# Allegro board 8880F5-0826_3.brd (continued)
## Placement (name value [footprint] x y rotation side) (continued)
NOREF#1909  -  []  392.24 199.18 90 top
NOREF#1910  -  []  331.22 253.63 0 top
NOREF#1911  -  []  371.48 257.11 0 top
NOREF#1912  -  []  271.34 243.91 0 top
NOREF#1913  -  []  168.13 159.1 90 top
NOREF#1914  -  []  394.66 242.38 90 top
NOREF#1915  -  []  209.59 160.9 90 top
NOREF#1916  -  []  272.24 184.86 90 top
NOREF#1917  -  []  225.83 204.31 0 top
NOREF#1918  -  []  369.38 224.6 0 top
NOREF#1919  -  []  405.93 288.57 90 top
NOREF#1920  -  []  333.33 241.33 90 top
NOREF#1921  -  []  332.51 264.35 90 top
NOREF#1922  -  []  409.49 180.15 0 top
NOREF#1923  -  []  377.23 224.65 90 top
NOREF#1924  -  []  167.7 192.32 90 top
NOREF#1925  -  []  354.27 134.07 90 top
NOREF#1926  -  []  312.67 146.1 90 top
NOREF#1927  -  []  415.61 185.72 90 top
NOREF#1928  -  []  342.68 163.52 90 top
NOREF#1929  -  []  252.6 296.86 0 top
NOREF#1930  -  []  352.55 181.37 0 top
NOREF#1931  -  []  229.51 193.69 0 top
NOREF#1932  -  []  271.04 249.18 0 top
NOREF#1933  -  []  128.21 178.64 0 top
NOREF#1934  -  []  366.88 239.21 0 top
NOREF#1935  -  []  399.99 164.91 90 top
NOREF#1936  -  []  408.88 133.16 90 top
NOREF#1937  -  []  259.33 205.55 0 top
NOREF#1938  -  []  518.38 292.92 90 top
NOREF#1939  -  []  420.88 129.99 90 top
NOREF#1940  -  []  241.82 227.13 90 top
NOREF#1941  -  []  177.33 201.29 90 top
NOREF#1942  -  []  256.77 225.04 90 top
NOREF#1943  -  []  395.07 129.99 0 top
NOREF#1944  -  []  334.29 265.56 0 top
NOREF#1945  -  []  352.24 181.05 90 top
NOREF#1946  -  []  184.47 145.93 90 top
NOREF#1947  -  []  390.53 154.88 0 top
NOREF#1948  -  []  237.98 163.82 90 top
NOREF#1949  -  []  259.88 288.31 90 top
NOREF#1950  -  []  120.24 171.1 0 top
NOREF#1951  -  []  326.23 233.13 0 top
NOREF#1952  -  []  264.29 272.1 90 top
NOREF#1953  -  []  211.11 160.4 90 top
NOREF#1954  -  []  200.98 256.5 90 top
NOREF#1955  -  []  326.17 131.69 90 top
NOREF#1956  -  []  258.35 288.91 90 top
NOREF#1957  -  []  417.7 146.88 0 top
NOREF#1958  -  []  182.57 144.78 90 top
NOREF#1959  -  []  341.48 286.96 0 top
NOREF#1960  -  []  184.47 151.68 90 top
NOREF#1961  -  []  450.03 225.6 0 top
NOREF#1962  -  []  201.21 276.04 90 top
NOREF#1963  -  []  405.5 225.11 90 top
NOREF#1964  -  []  94.68 234.24 0 top
NOREF#1965  -  []  332.83 205.86 90 top
NOREF#1966  -  []  263.71 288.86 0 top
NOREF#1967  -  []  403.99 188.15 0 top
NOREF#1968  -  []  167.7 201.89 90 top
NOREF#1969  -  []  261.63 255.43 90 top
NOREF#1970  -  []  404.24 154.88 0 top
NOREF#1971  -  []  392.04 224.85 90 top
NOREF#1972  -  []  192.57 228.97 90 top
NOREF#1973  -  []  272.55 183.91 0 top
NOREF#1974  -  []  473.7 176.22 90 top
NOREF#1975  -  []  310.43 189.52 0 top
NOREF#1976  -  []  392.24 196.98 90 top
NOREF#1977  -  []  310.41 253.37 90 top
NOREF#1978  -  []  408.02 271.47 0 top
NOREF#1979  -  []  317.83 197.63 0 top
NOREF#1980  -  []  410.27 257.37 0 top
NOREF#1981  -  []  379 288.57 90 top
NOREF#1982  -  []  220.36 188.49 0 top
NOREF#1983  -  []  378.75 256.56 90 top
NOREF#1984  -  []  201.23 215.35 90 top
NOREF#1985  -  []  381.2 274.38 90 top
NOREF#1986  -  []  473.79 239.64 0 top
NOREF#1987  -  []  201.23 190.12 90 top
NOREF#1988  -  []  199.33 240.28 0 top
NOREF#1989  -  []  400.79 154.88 0 top
NOREF#1990  -  []  167.7 173.11 90 top
NOREF#1991  -  []  247.25 205.55 0 top
NOREF#1992  -  []  167.7 159.65 0 top
NOREF#1993  -  []  409.74 146.88 0 top
NOREF#1994  -  []  511.59 291.28 90 top
NOREF#1995  -  []  167.7 227.72 90 top
NOREF#1996  -  []  337.9 186.35 90 top
NOREF#1997  -  []  217.41 273.24 0 top
NOREF#1998  -  []  175.8 215.25 90 top
NOREF#1999  -  []  254.29 265.56 0 top
NOREF#2000  -  []  338.36 288.91 90 top
NOREF#2001  -  []  330.73 265.56 90 top
NOREF#2002  -  []  366.88 255.21 0 top
NOREF#2003  -  []  166.06 203.01 90 top
NOREF#2004  -  []  310.43 188.88 90 top
NOREF#2005  -  []  318.3 224.74 90 top
NOREF#2006  -  []  226.27 216.63 90 top
NOREF#2007  -  []  248 286.96 0 top
NOREF#2008  -  []  251.62 265.56 90 top
NOREF#2009  -  []  394 217.36 0 top
NOREF#2010  -  []  367.48 242.38 90 top
NOREF#2011  -  []  462.06 274.77 90 top
NOREF#2012  -  []  230.73 253.69 0 top
NOREF#2013  -  []  273.95 155.38 0 top
NOREF#2014  -  []  321.82 167.13 90 top
NOREF#2015  -  []  182.57 144.78 0 top
NOREF#2016  -  []  252.83 204.65 90 top
NOREF#2017  -  []  314.33 168.13 90 top
NOREF#2018  -  []  331.62 265.55 0 top
NOREF#2019  -  []  390.69 241.11 0 top
NOREF#2020  -  []  230.41 183.09 90 top
NOREF#2021  -  []  184.47 173.11 0 top
NOREF#2022  -  []  375.73 194.78 90 top
NOREF#2023  -  []  306.71 139.64 0 top
NOREF#2024  -  []  271.04 244.23 0 top
NOREF#2025  -  []  301.56 190.49 0 top
NOREF#2026  -  []  351.34 183.91 0 top
NOREF#2027  -  []  155.57 289.11 90 top
NOREF#2028  -  []  175.8 174.36 90 top
NOREF#2029  -  []  309.51 193.69 0 top
NOREF#2030  -  []  175.7 189.02 90 top
NOREF#2031  -  []  271.04 185.5 0 top
NOREF#2032  -  []  230.43 243.09 0 top
NOREF#2033  -  []  327.7 131.19 90 top
NOREF#2034  -  []  253.4 205.56 90 top
NOREF#2035  -  []  116.27 171.02 0 top
NOREF#2036  -  []  482.64 192.46 90 top
NOREF#2037  -  []  249.28 225.04 90 top
NOREF#2038  -  []  309.51 253.69 0 top
NOREF#2039  -  []  398.65 209.36 90 top
NOREF#2040  -  []  209.33 215.25 90 top
NOREF#2041  -  []  263.14 282 0 top
NOREF#2042  -  []  324.9 288.91 90 top
NOREF#2043  -  []  459.28 236.14 90 top
NOREF#2044  -  []  310.41 246.34 90 top
NOREF#2045  -  []  262.68 163.52 90 top
NOREF#2046  -  []  397.57 131.89 0 top
NOREF#2047  -  []  373.83 192.28 90 top
NOREF#2048  -  []  403.41 209.61 0 top
NOREF#2049  -  []  201.91 172.56 90 top
NOREF#2050  -  []  398.65 225.11 0 top
NOREF#2051  -  []  392.47 240.56 90 top
NOREF#2052  -  []  260.74 135.19 90 top
NOREF#2053  -  []  287.27 286.96 90 top
NOREF#2054  -  []  352.25 241.05 90 top
NOREF#2055  -  []  399.99 181.42 90 top
NOREF#2056  -  []  369.63 289.12 0 top
NOREF#2057  -  []  175.7 154.88 90 top
NOREF#2058  -  []  383.09 273.11 0 top
NOREF#2059  -  []  249.28 165.04 90 top
NOREF#2060  -  []  330.17 223.82 90 top
NOREF#2061  -  []  252.51 204.35 90 top
NOREF#2062  -  []  346.08 296.86 0 top
NOREF#2063  -  []  117.01 234.24 90 top
NOREF#2064  -  []  127.7 238.84 0 top
NOREF#2065  -  []  412.62 273.37 0 top
NOREF#2066  -  []  290.64 288.86 0 top
NOREF#2067  -  []  192.47 164.3 90 top
NOREF#2068  -  []  252.51 264.35 90 top
NOREF#2069  -  []  251.33 140.14 0 top
NOREF#2070  -  []  453.88 171.53 0 top
NOREF#2071  -  []  229.21 253.37 0 top
NOREF#2072  -  []  412.24 144.98 90 top
NOREF#2073  -  []  184.47 200.54 90 top
NOREF#2074  -  []  122.15 187.53 0 top
NOREF#2075  -  []  298.13 214.06 0 top
NOREF#2076  -  []  410.52 273.37 0 top
NOREF#2077  -  []  346.27 132.97 90 top
NOREF#2078  -  []  387.08 188.15 0 top
NOREF#2079  -  []  511.59 293.82 90 top
NOREF#2080  -  []  404.4 273.16 90 top
NOREF#2081  -  []  106.76 215.26 0 top
NOREF#2082  -  []  310.41 247.61 90 top
NOREF#2083  -  []  451.68 186.77 0 top
NOREF#2084  -  []  128.05 271.33 90 top
NOREF#2085  -  []  263.83 171.63 90 top
NOREF#2086  -  []  406.19 171.64 0 top
NOREF#2087  -  []  218.13 274.06 0 top
NOREF#2088  -  []  310.43 188.88 90 top
NOREF#2089  -  []  346.27 130.77 90 top
NOREF#2090  -  []  252.83 265.86 90 top
NOREF#2091  -  []  230.43 188.88 90 top
NOREF#2092  -  []  209.49 175.56 90 top
NOREF#2093  -  []  354.27 138.37 90 top
NOREF#2094  -  []  295.96 188.49 0 top
NOREF#2095  -  []  324.65 288.86 0 top
NOREF#2096  -  []  380.59 255.21 0 top
NOREF#2097  -  []  397.8 179.6 90 top
NOREF#2098  -  []  272.25 249.82 0 top
NOREF#2099  -  []  119.99 214.79 0 top
NOREF#2100  -  []  272.25 242.32 90 top
NOREF#2101  -  []  332.51 205.56 90 top
NOREF#2102  -  []  210.86 214.75 90 top
NOREF#2103  -  []  167.7 151.68 90 top
NOREF#2104  -  []  300.74 286.96 90 top
NOREF#2105  -  []  390.69 289.12 0 top
NOREF#2106  -  []  302.49 296.86 0 top
NOREF#2107  -  []  106.29 174.19 90 top
NOREF#2108  -  []  221.56 190.49 0 top
NOREF#2109  -  []  336.45 164.72 0 top
NOREF#2110  -  []  296.81 275.94 0 top
NOREF#2111  -  []  250.74 164.74 0 top
NOREF#2112  -  []  331.06 225.04 90 top
NOREF#2113  -  []  165.8 144.78 90 top
NOREF#2114  -  []  302.11 180.71 0 top
NOREF#2115  -  []  241.6 296.61 0 top
NOREF#2116  -  []  256.45 164.74 0 top
NOREF#2117  -  []  462.06 277.31 90 top
NOREF#2118  -  []  259.33 205.55 0 top
NOREF#2119  -  []  194.09 160.4 90 top
NOREF#2120  -  []  272.55 189.5 0 top
NOREF#2121  -  []  242.23 233.13 90 top
NOREF#2122  -  []  274.37 147.93 90 top
NOREF#2123  -  []  373.68 265.11 0 top
NOREF#2124  -  []  215.96 248.49 0 top
NOREF#2125  -  []  398.65 289.12 0 top
NOREF#2126  -  []  75.98 290.38 90 top
NOREF#2127  -  []  250.5 288.86 0 top
NOREF#2128  -  []  310.73 253.69 0 top
NOREF#2129  -  []  339.65 205.86 90 top
NOREF#2130  -  []  310.73 186.66 0 top
NOREF#2131  -  []  188.08 289.11 90 top
NOREF#2132  -  []  367.13 287.22 0 top
NOREF#2133  -  []  459.24 219.3 90 top
NOREF#2134  -  []  22.16 130.26 90 top
NOREF#2135  -  []  381.2 258.38 90 top
NOREF#2136  -  []  334.29 204.35 90 top
NOREF#2137  -  []  331.62 205.55 0 top
NOREF#2138  -  []  377.32 163.39 0 top
NOREF#2139  -  []  403.41 209.61 0 top
NOREF#2140  -  []  308.14 296.86 0 top
NOREF#2141  -  []  309.05 271.67 0 top
NOREF#2142  -  []  239.4 296.61 0 top
NOREF#2143  -  []  306.71 131.64 0 top
NOREF#2144  -  []  166.06 243.9 90 top
NOREF#2145  -  []  371.48 249.11 0 top
NOREF#2146  -  []  378.75 240.56 90 top
NOREF#2147  -  []  344.37 128.27 0 top
NOREF#2148  -  []  385.32 161.49 90 top
NOREF#2149  -  []  449.99 217.9 0 top
NOREF#2150  -  []  185.2 290.01 90 top
NOREF#2151  -  []  230.73 187.93 0 top
NOREF#2152  -  []  330.73 265.55 0 top
NOREF#2153  -  []  312.25 211.67 90 top
NOREF#2154  -  []  184.47 165.4 90 top
NOREF#2155  -  []  225.83 264.31 0 top
NOREF#2156  -  []  352.55 242.64 0 top
NOREF#2157  -  []  247.25 264.35 90 top
NOREF#2158  -  []  382.47 133.16 90 top
NOREF#2159  -  []  310.73 249.2 0 top
NOREF#2160  -  []  124.64 171.1 0 top
NOREF#2161  -  []  463.61 171.53 0 top
NOREF#2162  -  []  259.65 264.65 90 top
NOREF#2163  -  []  165.8 171.96 90 top
NOREF#2164  -  []  334.29 205.56 0 top
NOREF#2165  -  []  397.57 131.89 0 top
NOREF#2166  -  []  115.99 130.36 90 top
NOREF#2167  -  []  167.7 174.46 90 top
NOREF#2168  -  []  376.15 192.88 90 top
NOREF#2169  -  []  396.28 163.69 90 top
NOREF#2170  -  []  394.05 239.21 0 top
NOREF#2171  -  []  387.08 171.64 0 top
NOREF#2172  -  []  290.64 288.86 0 top
NOREF#2173  -  []  200.98 260.9 90 top
NOREF#2174  -  []  408.37 258.64 90 top
NOREF#2175  -  []  404.15 273.11 0 top
NOREF#2176  -  []  287.91 280.1 0 top
NOREF#2177  -  []  352.25 181.05 90 top
NOREF#2178  -  []  385.61 208.66 90 top
NOREF#2179  -  []  309.51 187.93 0 top
NOREF#2180  -  []  253.72 264.65 90 top
NOREF#2181  -  []  384.36 131.89 0 top
NOREF#2182  -  []  216.96 240.71 0 top
NOREF#2183  -  []  305.94 288.86 0 top
NOREF#2184  -  []  327.25 205.56 0 top
NOREF#2185  -  []  166.06 216.47 90 top
NOREF#2186  -  []  328.42 129.74 90 top
NOREF#2187  -  []  344.37 128.27 90 top
NOREF#2188  -  []  201.23 214 0 top
NOREF#2189  -  []  272.25 244.23 0 top
NOREF#2190  -  []  411.09 146.88 90 top
NOREF#2191  -  []  230.43 188.88 90 top
NOREF#2192  -  []  330.74 224.74 0 top
NOREF#2193  -  []  410.78 131.89 0 top
NOREF#2194  -  []  296.96 240.71 0 top
NOREF#2195  -  []  108.01 195.15 0 top
NOREF#2196  -  []  168.13 227.17 90 top
NOREF#2197  -  []  184.47 227.72 0 top
NOREF#2198  -  []  93.02 247.21 90 top
NOREF#2199  -  []  475.04 239.09 0 top
NOREF#2200  -  []  422.95 163.69 90 top
NOREF#2201  -  []  415.08 139.89 0 top
NOREF#2202  -  []  230.41 187.61 90 top
NOREF#2203  -  []  456.08 195.91 0 top
NOREF#2204  -  []  199.33 257.62 90 top
NOREF#2205  -  []  394.66 226.38 90 top
NOREF#2206  -  []  400.24 195.88 90 top
NOREF#2207  -  []  408.92 265.37 0 top
NOREF#2208  -  []  184.47 255.15 0 top
NOREF#2209  -  []  228.36 202.16 45 top
NOREF#2210  -  []  333.72 264.65 90 top
NOREF#2211  -  []  422.7 163.64 0 top
NOREF#2212  -  []  252.51 205.56 90 top
NOREF#2213  -  []  226.85 211.67 0 top
NOREF#2214  -  []  317.57 209.63 90 top
NOREF#2215  -  []  201.49 159.65 0 top
NOREF#2216  -  []  115.36 235.64 0 top
NOREF#2217  -  []  251.94 265.86 90 top
NOREF#2218  -  []  253.72 265.86 90 top
NOREF#2219  -  []  175.7 148.38 90 top
NOREF#2220  -  []  229.51 183.41 0 top
NOREF#2221  -  []  385.18 209.11 90 top
NOREF#2222  -  []  337.9 246.35 90 top
NOREF#2223  -  []  247.25 265.56 90 top
NOREF#2224  -  []  167.7 200.54 90 top
NOREF#2225  -  []  96.33 238.84 0 top
NOREF#2226  -  []  331.86 252.43 90 top
NOREF#2227  -  []  409.17 281.37 0 top
NOREF#2228  -  []  303.84 288.86 0 top
NOREF#2229  -  []  230.73 247.93 0 top
NOREF#2230  -  []  300.36 177.06 0 top
NOREF#2231  -  []  501.87 276.41 90 top
NOREF#2232  -  []  238.3 164.74 90 top
NOREF#2233  -  []  254.29 264.35 90 top
NOREF#2234  -  []  448.94 276.41 90 top
NOREF#2235  -  []  332.83 204.65 90 top
NOREF#2236  -  []  262.36 223.82 90 top
NOREF#2237  -  []  461.86 230.75 0 top
NOREF#2238  -  []  355.89 130.17 90 top
NOREF#2239  -  []  259.33 264.35 90 top
NOREF#2240  -  []  473.79 239.64 0 top
NOREF#2241  -  []  253.33 241.33 90 top
NOREF#2242  -  []  352.55 185.18 0 top
NOREF#2243  -  []  200.98 255.15 90 top
NOREF#2244  -  []  330.18 242.88 0 top
NOREF#2245  -  []  230.41 248.88 90 top
NOREF#2246  -  []  451.68 186.77 0 top
NOREF#2247  -  []  194.09 146.68 90 top
NOREF#2248  -  []  230.43 253.37 0 top
NOREF#2249  -  []  373.73 207.21 0 top
NOREF#2250  -  []  201.23 204.09 90 top
NOREF#2251  -  []  229.05 271.67 0 top
NOREF#2252  -  []  175.8 228.97 90 top
NOREF#2253  -  []  310.43 249.52 0 top
NOREF#2254  -  []  300.01 288.31 90 top
NOREF#2255  -  []  392.24 193.43 0 top
NOREF#2256  -  []  272.55 241.37 0 top
NOREF#2257  -  []  110.47 171.02 0 top
NOREF#2258  -  []  251.06 225.04 90 top
NOREF#2259  -  []  334.61 265.86 90 top
NOREF#2260  -  []  459.28 227 0 top
NOREF#2261  -  []  473.79 196.21 0 top
NOREF#2262  -  []  309.21 183.09 0 top
NOREF#2263  -  []  352.24 244.86 90 top
NOREF#2264  -  []  399.39 178.25 0 top
NOREF#2265  -  []  383.01 139.89 0 top
NOREF#2266  -  []  165.8 185.42 0 top
NOREF#2267  -  []  237.57 269.63 90 top
NOREF#2268  -  []  390.94 241.16 90 top
NOREF#2269  -  []  261.16 135.74 90 top
NOREF#2270  -  []  271.34 249.5 0 top
NOREF#2271  -  []  310.41 248.88 90 top
NOREF#2272  -  []  252.51 205.56 0 top
NOREF#2273  -  []  375.22 163.39 0 top
NOREF#2274  -  []  465.31 230.2 0 top
NOREF#2275  -  []  406.65 239.21 90 top
NOREF#2276  -  []  404.15 289.12 0 top
NOREF#2277  -  []  383.73 202.38 90 top
NOREF#2278  -  []  331.05 264.65 90 top
NOREF#2279  -  []  230.43 194.01 0 top
NOREF#2280  -  []  388.43 146.88 0 top
NOREF#2281  -  []  223.56 233.86 90 top
NOREF#2282  -  []  261.63 195.43 90 top
NOREF#2283  -  []  329.6 223.52 90 top
NOREF#2284  -  []  327.25 205.55 0 top
NOREF#2285  -  []  352.24 249.18 90 top
NOREF#2286  -  []  375.73 196.98 90 top
NOREF#2287  -  []  271.04 245.5 0 top
NOREF#2288  -  []  339.65 264.65 90 top
NOREF#2289  -  []  383.09 241.11 0 top
NOREF#2290  -  []  229.51 253.69 0 top
NOREF#2291  -  []  175.7 246.08 90 top
NOREF#2292  -  []  184.47 178.86 90 top
NOREF#2293  -  []  199.33 199.39 0 top
NOREF#2294  -  []  288.14 286.96 0 top
NOREF#2295  -  []  263.63 223.82 90 top
NOREF#2296  -  []  397.57 131.89 0 top
NOREF#2297  -  []  472.86 166.93 90 top
NOREF#2298  -  []  399.07 208.81 90 top
NOREF#2299  -  []  423.45 146.93 90 top
NOREF#2300  -  []  184.89 186.02 90 top
NOREF#2301  -  []  471.11 230.2 0 top
NOREF#2302  -  []  209.59 174.36 90 top
NOREF#2303  -  []  409.17 249.11 0 top
NOREF#2304  -  []  192.47 189.02 90 top
NOREF#2305  -  []  192.47 148.38 90 top
NOREF#2306  -  []  313.56 131.64 90 top
NOREF#2307  -  []  369.63 273.11 0 top
NOREF#2308  -  []  201.23 231.27 90 top
NOREF#2309  -  []  184.47 214 0 top
NOREF#2310  -  []  252.6 288.86 0 top
NOREF#2311  -  []  371.48 265.11 0 top
NOREF#2312  -  []  209.33 201.79 90 top
NOREF#2313  -  []  109.96 238.84 0 top
NOREF#2314  -  []  35.83 132.61 0 top
NOREF#2315  -  []  450.03 234.74 0 top
NOREF#2316  -  []  103.93 235.64 90 top
NOREF#2317  -  []  168.13 213.45 90 top
NOREF#2318  -  []  342.36 163.82 90 top
NOREF#2319  -  []  405.17 131.89 0 top
NOREF#2320  -  []  319.33 176.03 0 top
NOREF#2321  -  []  383.73 198.08 90 top
NOREF#2322  -  []  417.2 163.64 0 top
NOREF#2323  -  []  260.29 136.46 90 top
NOREF#2324  -  []  275.3 155.38 0 top
NOREF#2325  -  []  230.73 193.69 0 top
NOREF#2326  -  []  378.58 273.11 90 top
NOREF#2327  -  []  369.63 273.11 0 top
NOREF#2328  -  []  461.86 187.32 0 top
NOREF#2329  -  []  296.96 192.14 0 top
NOREF#2330  -  []  192.47 250.38 90 top
NOREF#2331  -  []  343.2 172.26 90 top
NOREF#2332  -  []  385.19 224.85 0 top
NOREF#2333  -  []  338.11 288.86 0 top
NOREF#2334  -  []  276.4 147.38 0 top
NOREF#2335  -  []  400.25 148.15 90 top
NOREF#2336  -  []  75.98 287.84 90 top
NOREF#2337  -  []  229.21 248.88 0 top
NOREF#2338  -  []  167.7 132.72 90 top
NOREF#2339  -  []  346.08 288.86 0 top
NOREF#2340  -  []  246.23 233.13 0 top
NOREF#2341  -  []  352.25 182.96 0 top
NOREF#2342  -  []  386.53 164.91 90 top
NOREF#2343  -  []  188.08 291.65 90 top
NOREF#2344  -  []  248.61 290.13 90 top
NOREF#2345  -  []  396.03 180.15 0 top
NOREF#2346  -  []  251.94 204.65 90 top
NOREF#2347  -  []  290.11 280.1 0 top
NOREF#2348  -  []  418.12 241.11 0 top
NOREF#2349  -  []  471.21 175.95 0 top
NOREF#2350  -  []  182.57 199.39 90 top
NOREF#2351  -  []  343.95 164.74 90 top
NOREF#2352  -  []  252.83 264.65 90 top
NOREF#2353  -  []  309.21 253.37 0 top
NOREF#2354  -  []  184.47 227.72 90 top
NOREF#2355  -  []  412.79 209.16 90 top
NOREF#2356  -  []  322.23 233.13 0 top
NOREF#2357  -  []  127.95 195.15 0 top
NOREF#2358  -  []  277.5 155.38 0 top
NOREF#2359  -  []  238.3 223.52 90 top
NOREF#2360  -  []  124.39 214.79 0 top
NOREF#2361  -  []  249.13 140.14 0 top
NOREF#2362  -  []  396.55 289.12 0 top
NOREF#2363  -  []  394.46 129.99 90 top
NOREF#2364  -  []  420.62 287.22 90 top
NOREF#2365  -  []  182.82 230.19 90 top
NOREF#2366  -  []  209.49 155.13 90 top
NOREF#2367  -  []  383.07 163.44 90 top
NOREF#2368  -  []  118.74 215.34 0 top
NOREF#2369  -  []  250.49 224.74 90 top
NOREF#2370  -  []  199.59 203.01 90 top
NOREF#2371  -  []  175.7 259.8 90 top
NOREF#2372  -  []  398.65 281.11 0 top
NOREF#2373  -  []  460.93 166.93 90 top
NOREF#2374  -  []  192.47 236.67 90 top
NOREF#2375  -  []  383.09 273.11 0 top
NOREF#2376  -  []  226.83 209.63 90 top
NOREF#2377  -  []  106.76 210.11 90 top
NOREF#2378  -  []  468.01 222.58 0 top
NOREF#2379  -  []  221.56 239.06 0 top
NOREF#2380  -  []  230.73 243.41 0 top
NOREF#2381  -  []  209.23 218.65 90 top
NOREF#2382  -  []  396.03 146.88 0 top
NOREF#2383  -  []  369.63 289.12 0 top
NOREF#2384  -  []  317.98 223.82 90 top
NOREF#2385  -  []  36.1 131.91 0 top
NOREF#2386  -  []  385.19 289.12 0 top
NOREF#2387  -  []  411.26 163.09 90 top
NOREF#2388  -  []  167.7 204.09 90 top
NOREF#2389  -  []  309.51 246.66 0 top
NOREF#2390  -  []  378.75 256.66 90 top
NOREF#2391  -  []  373.93 281.11 0 top
NOREF#2392  -  []  302.32 144.15 0 top
NOREF#2393  -  []  175.7 218.65 90 top
NOREF#2394  -  []  167.7 255.15 0 top
NOREF#2395  -  []  409.17 297.12 0 top
NOREF#2396  -  []  351.34 245.18 0 top
NOREF#2397  -  []  309.21 186.34 0 top
NOREF#2398  -  []  295.96 188.49 0 top
NOREF#2399  -  []  184.47 159.65 90 top
NOREF#2400  -  []  201.23 206.29 90 top
NOREF#2401  -  []  309.21 193.37 0 top
NOREF#2402  -  []  199.59 171.96 90 top
NOREF#2403  -  []  327.25 204.35 90 top
NOREF#2404  -  []  328.96 164.72 0 top
NOREF#2405  -  []  192.47 216.45 90 top
NOREF#2406  -  []  175.7 141.67 90 top
NOREF#2407  -  []  391.8 209.36 0 top
NOREF#2408  -  []  411.99 161.74 90 top
NOREF#2409  -  []  209.33 242.68 90 top
NOREF#2410  -  []  108.01 214.71 0 top
NOREF#2411  -  []  250.18 242.88 0 top
NOREF#2412  -  []  232.25 271.67 90 top
NOREF#2413  -  []  167.7 145.93 0 top
NOREF#2414  -  []  316.97 139.64 0 top
NOREF#2415  -  []  201.23 233.47 90 top
NOREF#2416  -  []  419.4 171.64 0 top
NOREF#2417  -  []  201.49 176.66 90 top
NOREF#2418  -  []  66.26 290.38 90 top
NOREF#2419  -  []  337.09 163.52 90 top
NOREF#2420  -  []  303.56 173.86 90 top
NOREF#2421  -  []  331.94 204.65 90 top
NOREF#2422  -  []  75.98 273.87 90 top
NOREF#2423  -  []  165.8 199.39 0 top
NOREF#2424  -  []  272.24 189.18 90 top
NOREF#2425  -  []  210.86 228.47 90 top
NOREF#2426  -  []  327.57 265.86 90 top
NOREF#2427  -  []  413.51 207.71 90 top
NOREF#2428  -  []  240.83 194.63 0 top
NOREF#2429  -  []  266.74 272.1 0 top
NOREF#2430  -  []  275.82 296.86 0 top
NOREF#2431  -  []  310.43 183.09 90 top
NOREF#2432  -  []  333.4 205.55 0 top
NOREF#2433  -  []  261.63 233.83 90 top
NOREF#2434  -  []  405.93 272.66 90 top
NOREF#2435  -  []  318.3 223.52 90 top
NOREF#2436  -  []  334.29 205.55 0 top
NOREF#2437  -  []  383.09 224.85 0 top
NOREF#2438  -  []  167.7 214 90 top
NOREF#2439  -  []  108.27 178.64 0 top
NOREF#2440  -  []  250.17 165.04 90 top
NOREF#2441  -  []  405.5 289.12 90 top
NOREF#2442  -  []  217.71 216.09 0 top
NOREF#2443  -  []  420.62 239.21 90 top
NOREF#2444  -  []  247.25 205.56 90 top
NOREF#2445  -  []  459.28 211.76 0 top
NOREF#2446  -  []  250.74 164.72 0 top
NOREF#2447  -  []  230.43 247.61 90 top
NOREF#2448  -  []  192.47 177.76 90 top
NOREF#2449  -  []  309.51 247.93 0 top
NOREF#2450  -  []  390.53 171.64 0 top
NOREF#2451  -  []  396.55 257.37 0 top
NOREF#2452  -  []  472.86 217.98 90 top
NOREF#2453  -  []  184.47 255.15 90 top
NOREF#2454  -  []  253.4 264.35 90 top
NOREF#2455  -  []  351.34 189.5 0 top
NOREF#2456  -  []  199.84 148.65 90 top
NOREF#2457  -  []  106.76 217.73 90 top
NOREF#2458  -  []  216.96 180.71 0 top
NOREF#2459  -  []  118.33 286.94 90 top
NOREF#2460  -  []  272.24 249.18 90 top
NOREF#2461  -  []  465.45 292.92 90 top
NOREF#2462  -  []  230.73 189.2 0 top
NOREF#2463  -  []  383.07 180.2 90 top
NOREF#2464  -  []  262.36 165.04 90 top
NOREF#2465  -  []  343.2 232.26 90 top
NOREF#2466  -  []  385.19 257.11 0 top
NOREF#2467  -  []  333.4 204.35 90 top
NOREF#2468  -  []  398.65 297.12 0 top
NOREF#2469  -  []  334.61 204.65 90 top
NOREF#2470  -  []  405.51 217.61 0 top
NOREF#2471  -  []  172.08 291.65 90 top
NOREF#2472  -  []  185.2 292.55 90 top
NOREF#2473  -  []  382.82 180.15 0 top
NOREF#2474  -  []  367.48 225.87 90 top
NOREF#2475  -  []  296.96 252.14 0 top
NOREF#2476  -  []  272.25 242.96 0 top
NOREF#2477  -  []  192.47 191.22 90 top
NOREF#2478  -  []  230.73 193.69 0 top
NOREF#2479  -  []  396.28 180.2 90 top
NOREF#2480  -  []  376.98 224.6 0 top
NOREF#2481  -  []  118.7 222.88 0 top
NOREF#2482  -  []  330.49 224.74 90 top
NOREF#2483  -  []  317.57 269.63 90 top
NOREF#2484  -  []  326.43 288.31 90 top
NOREF#2485  -  []  271.34 241.37 0 top
NOREF#2486  -  []  352.93 288.86 90 top
NOREF#2487  -  []  351.34 185.18 0 top
NOREF#2488  -  []  182.57 254 0 top
NOREF#2489  -  []  194.09 173.86 90 top
NOREF#2490  -  []  471.59 130.36 90 top
NOREF#2491  -  []  272.25 182.32 90 top
NOREF#2492  -  []  165.8 226.57 90 top
NOREF#2493  -  []  478.57 293.82 90 top
NOREF#2494  -  []  168.13 240.88 90 top
NOREF#2495  -  []  395.2 265.37 0 top
NOREF#2496  -  []  404.15 257.37 0 top
NOREF#2497  -  []  209.23 189.02 90 top
NOREF#2498  -  []  263.2 232.26 90 top
NOREF#2499  -  []  272.25 244.86 90 top
NOREF#2500  -  []  304.65 211.67 0 top
NOREF#2501  -  []  272.24 241.05 90 top
NOREF#2502  -  []  209.23 222.95 90 top
NOREF#2503  -  []  251.38 224.74 90 top
NOREF#2504  -  []  471.11 186.77 0 top
NOREF#2505  -  []  398.65 241.11 0 top
NOREF#2506  -  []  165.8 226.57 0 top
NOREF#2507  -  []  271.31 288.86 0 top
NOREF#2508  -  []  392.73 154.88 0 top
NOREF#2509  -  []  194.09 242.18 90 top
NOREF#2510  -  []  310.43 193.37 90 top
NOREF#2511  -  []  351.83 288.91 90 top
NOREF#2512  -  []  339.33 264.35 90 top
NOREF#2513  -  []  331.06 223.82 90 top
NOREF#2514  -  []  388.66 139.89 0 top
NOREF#2515  -  []  394.05 271.21 0 top
NOREF#2516  -  []  378.33 224.6 90 top
NOREF#2517  -  []  88.64 247.45 90 top
NOREF#2518  -  []  471.21 211.76 0 top
NOREF#2519  -  []  166.06 135.19 90 top
NOREF#2520  -  []  396.55 241.11 0 top
NOREF#2521  -  []  302.11 192.14 0 top
NOREF#2522  -  []  396.55 289.12 0 top
NOREF#2523  -  []  119.95 222.33 0 top
NOREF#2524  -  []  242.23 173.13 0 top
NOREF#2525  -  []  184.47 190.12 90 top
NOREF#2526  -  []  377.23 289.12 0 top
NOREF#2527  -  []  262.68 224.74 90 top
NOREF#2528  -  []  192.47 182.06 90 top
NOREF#2529  -  []  122.19 214.79 0 top
NOREF#2530  -  []  405.5 273.11 90 top
NOREF#2531  -  []  392.47 240.66 90 top
NOREF#2532  -  []  412.62 281.37 0 top
NOREF#2533  -  []  298.16 188.49 0 top
NOREF#2534  -  []  192.47 257.6 90 top
NOREF#2535  -  []  327.27 131.64 90 top
NOREF#2536  -  []  389.7 209.36 0 top
NOREF#2537  -  []  249.28 223.82 90 top
NOREF#2538  -  []  107.02 171.57 0 top
NOREF#2539  -  []  201.23 187.92 90 top
NOREF#2540  -  []  175.8 160.9 90 top
NOREF#2541  -  []  298.24 288.86 0 top